# KiCad board spudglo_driver_v8pWB55.kicad_pcb (continued)
## Routing (per net, layer and track width the routed paths; a pad name or vN(x,y) marks a point on that pad's centre or on a via; arc(x,y) is an arc through that point) (continued)
  Top w0.5: U12.A12 57.33,35.4 v1(57.33,34.59) ; U13.2 62.08,27.27 61.81,27.27 U13.EPAD ; U13.2 62.91,27.92 63.42,27.41 64.66,28.65 J5.1 ; U13.2 U13.EPAD ; J1.1 51,16.76 v1(49.82,15.58) 50.24,15.16 50.24,12.61 ; C6.2 35.72,29.07 v1(35.42,28.77) ; v1(56.66,24.83) 56.66,25.05 56.31,25.4 ; 1.88,24.84 1.96,24.84 3.1,25.98 C2.2 ; 47.34,13.96 48.17,14.78 50.08,14.78 ; 50.24,12.61 50.72,13.08 U14.2 ; 50.24,12.61 50.24,11.7 50.66,11.29 53.25,11.29 ; v1(22.71,35.35) 22.37,35.7 21.84,35.7 ; v1(67.06,14.98) 66.35,14.27 R7.2 66.21,14.22 C28.2 64.49,14.22 63.65,13.38 ; 56.31,25.4 C30.2 ; 56.31,25.4 56.32,25.4 v1(56.72,25.81) ; 57.82,22.54 58.24,22.12 IC1.4 ; 58.95,26.62 60.93,26.62 61.16,26.85 U13.EPAD ; C29.2 47.34,13.78 47.24,13.88 v1(47.24,15.54) ; 35.15,39.64 v1(34.29,39.64) R1.2 ; U12.A1 v1(65.11,34.87) 65.46,34.53 v2(68.14,34.53) ; C26.2 22.43,33.32 v1(22.71,33.03) ; v1(59.49,12.85) 60.06,13.42 U17.2 ; v1(59.49,12.85) v1(59.49,14.56) 59.49,14.61 58.98,15.11 57.37,15.11 56.52,14.26 56.79,14.53 56.79,15.96 ; v1(59.49,12.85) 59.49,10.92 ; v1(54.21,11.59) 54.2,11.58 C25.2 ; v1(58.17,26.87) C23.2
  Top w0.75: 21.77,6.4 22.78,6.4 v1(22.81,6.43) ; 21.77,6.4 R4.2 ; 21.77,6.4 C19.2
  Top w1: 57.82,22.54 57.63,22.54 56.67,23.5 C27.2 56.14,23.8 56.11,23.83 54.59,23.83 55.64,24.88 55.64,25.4
  Top w4: v2(68.14,34.53) 65.78,32.17 J5.1 ; 68.17,29.78 67.05,29.78 J5.1 ; J5.1 66.78,32.17 71.72,27.23 J2.2
  Top w4.5: 65.78,32.17 68.17,29.78 J2.3 ; v2(71.72,32.38) 70.3,32.38 v2(68.14,34.53) 68.92,33.75 J2.3 ; v2(71.72,32.38) J2.2 71.72,26.98 J2.3 ; v2(71.72,32.38) 71.78,32.43
  vias: v1(0.67,36.32) v1(0.63,35.19) v1(4.09,22.97) v1(5.64,42.51) v1(7.64,43.34) v1(7.64,38.26) v1(9.02,29.28) v1(12.36,32.63) v1(12.37,25.95) v1(15.72,43.43) v1(15.7,42.37) v1(15.7,41.39) v1(15.7,40.32) v1(15.76,29.23) v1(24.6,38.61) v1(24.94,17.99) v1(33.69,28.55) v1(44.47,26.29) v1(45.01,28.2) v1(58.45,32.08) v1(59.33,31.25) v1(61.35,18.97) v1(62.03,25.85) v1(65.53,11.71)
VBUS: length 17.2
  Top w0.25: U6.16 57.27,33.87 56.29,33.87 C21.1 56.06,34.56 v1(56.09,34.59)
  Top w0.5: 58.91,28.3 58.62,28.01 58.61,28.01 58.32,28.3 57.42,28.3 57.38,28.26 ; 58.91,28.3 59.33,27.88 59.37,27.92 60.24,27.92 ; 58.91,28.3 58.92,28.3 v1(59.51,28.9) 60.11,28.3 60.18,28.3 ; 58.91,28.3 59.98,28.3 60.24,28.56 60.24,28.57
  Bottom w0.25: 59.58,28.97 59.58,28.97 v1(59.51,28.9) 59.51,29.04 56.09,32.47 v1(56.09,34.59)
VBUS_PRESENT: length 60.6
  Top w0.25: R35.1 v1(54.79,28.26) 55.56,28.26 ; U10.14 11.19,33.61 11.19,34 11.5,34.32 11.82,34.32 12.11,34.6 12.16,34.6 v1(12.44,34.88) ; v1(51.13,32.38) 51.13,31.99 49.6,30.46 44.88,30.46 44.16,31.17 41.62,31.17 40.06,32.73 40.06,33.63 38.84,34.85 37.42,34.85 36.51,35.77 34.3,35.77 32.66,37.4 32.02,37.4 31.62,37.81 30.98,37.81 30.8,38 30.8,38.33 29.89,39.24 29.35,39.24 28.67,39.93 28.67,39.96 27.22,41.41 27.22,41.82 26.89,42.14 26.78,42.14 26.23,42.69 22.69,42.69 v1(22.41,42.97)
  Bottom w0.25: v1(51.13,32.38) 52.08,32.38 54.92,29.53 54.92,28.39 54.81,28.28 ; v1(12.44,34.88) 12.44,35.39 13.53,36.48 15.28,36.48 16,37.2 16.39,37.2 18.25,39.06 19.22,39.06 22.41,42.25 v1(22.41,42.97)
VIN: length 56.4
  Top w0.5: C2.1 4.36,24.7 1.96,22.3 1.88,22.3 ; v3(66.42,8.11) 65.94,8.11 62.88,11.17 61.17,11.17 C32.1 60.92,12.3 U17.1 ; C26.1 23.9,32.18 U4.2 24.21,31.95 24.22,31.96 ; C1.1 36.33,40.68 35,42.01 35,42.09
  Top w0.75: 24.19,4.98 24.11,4.98 23.72,4.59 C19.1
  Top w1: v1(57.82,25.18) 57.82,24.07 57.99,23.9 58.26,23.9 59.08,24.72
  Top w4.5: v3(66.42,8.11) 66.53,8 v3(71.52,8) ; 71.41,8.11 v3(71.52,8) ; v3(71.52,8) 71.52,8
  Top w5: v3(66.42,8.11) 67.03,8.11 F1.2 71.4,8.12 v3(71.52,8)
  PWR.Cu w0.5: 34.91,42.09 31.49,38.67 27.82,38.67 25.83,36.68 25.72,36.68 25.13,36.09 25.13,32.95 U4.2
/spudglo_v8p0_micro/BLUE_LED: length 3.7
  Top w0.25: U10.44 17.1,25.57 R22.2
/spudglo_v8p0_micro/BOOT0: length 7.2
  Top w0.25: U10.4 16.22,31.33 17.56,31.33 18.29,30.59 19.3,30.59 21.07,28.82 21.07,28.76 21.16,28.67 R15.1
/spudglo_v8p0_micro/GREEN_LED: length 2.2
  Top w0.25: U10.43 15.02,26.99 16.14,25.86 R21.2
/spudglo_v8p0_micro/LVL_DIR: length 62.9
  Top w0.25: v1(26.78,18.9) 27.08,18.6 27.79,18.6 28.1,18.29 28.1,16.01 28.37,15.74 28.37,14.32 28.09,14.05 27.68,14.05 27.23,13.6 25.76,13.6 25.72,13.55 24.91,13.55 22.68,15.78 19.66,15.78 19.11,15.23 17.24,15.23 15.81,16.67 15.81,17.18 13.83,19.15 8.94,19.15 5.89,22.2 5.89,24.47 8.32,26.9 8.97,26.9 U10.29 ; U9.1 29.89,27.94 29.89,30.41 29.46,30.84 28.86,30.84 27.84,29.81 27.84,29.27 27.37,28.8 27.37,28.67 26.72,28.03 26.72,27.69 25.84,26.8 25.84,26.27 25.18,25.61 25.18,24.8 24.26,23.88 24.26,21.96 22.59,20.28 v1(22.26,20.28)
  Bottom w0.25: v1(26.78,18.9) 25.4,20.28 v1(22.26,20.28)
/spudglo_v8p0_micro/LVL_EN: length 59
  Top w0.25: v1(28.14,20.88) 28.14,20.64 27.44,19.95 27.44,19.26 27.65,19.05 27.98,19.05 28.55,18.48 28.55,16.2 28.82,15.93 28.82,14.14 28.28,13.6 27.86,13.6 27.41,13.15 25.95,13.15 25.9,13.1 24.72,13.1 22.49,15.33 19.84,15.33 19.29,14.78 17.06,14.78 15.36,16.48 15.36,16.99 13.64,18.7 8.75,18.7 5.44,22.01 5.44,24.82 7.97,27.35 8.71,27.35 U10.28 ; v1(34.12,19.73) 34.6,19.73 36.06,21.2 36.06,26.3 35.69,26.68 U9.19
  Bottom w0.25: v1(34.12,19.73) 34.03,19.73 32.88,20.88 v1(28.14,20.88)
/spudglo_v8p0_micro/OSC48_HI: length 10.7
  Top w0.25: C7.1 1.5,30.2 Y1.3 1.5,28.44 3.03,26.91 5.49,26.91 5.91,27.33 5.91,27.35 6.56,28 7.26,28 8,28.74 U10.25
/spudglo_v8p0_micro/OSC48_LO: length 5.3
  Top w0.25: U10.24 6.72,28.45 4.9,28.45 C33.1 4.38,28.56 Y1.1
/spudglo_v8p0_micro/RED_LED: length 5.3
  Top w0.25: U10.42 14.67,26.63 15.07,26.24 15.07,22.18 15.14,22.1 15.19,22.1 R20.2
GPIO_1: length 47.8
  Top w0.25: v1(32.86,26.35) 33.41,26.35 33.94,26.88 33.94,27.6 34.18,27.85 34.34,27.85 34.62,28.13 34.62,30.14 35.17,30.69 36.36,30.69 37.5,29.54 37.5,27.04 41.08,23.47 ; v1(27.25,24.75) 27.29,24.71 27.29,24.2 26.06,22.97 26.06,21.12 22.98,18.03 16.22,18.03 13.2,21.06 13.2,21.23 13.2,21.23 13.2,24.59 12.93,24.87 U10.37
  Bottom w0.25: v1(32.86,26.35) 32.71,26.5 28.89,26.5 28.28,27.12 27.43,27.12 27.25,26.94 v1(27.25,24.75)
GPIO_2: length 55.8
  Top w0.25: v1(20.33,43) 20.33,42.17 20.71,41.79 25.53,41.79 28.98,38.34 28.98,36.49 31.95,33.52 34.16,33.52 37.95,29.73 37.95,27.23 40.91,24.27 42.06,24.27 42.99,23.34 ; v1(7.29,34.3) 7.57,34.03 7.57,33 7.64,32.93 7.64,32.7 8.11,32.23 8.96,32.23 9.69,31.5 U10.19
  Bottom w0.25: v1(7.29,34.3) 10.37,37.38 14.91,37.38 15.63,38.1 16.01,38.1 17.88,39.96 18.85,39.96 20.33,41.44 v1(20.33,43)
GPIO_3: length 51.2
  Top w0.25: v1(28.53,31.53) 28.53,31.14 27.39,30 27.39,29.46 26.92,28.99 26.92,28.86 26.27,28.21 26.27,27.87 25.18,26.78 25.18,26.74 23.66,26.74 22.76,27.64 22.76,28.15 22.34,28.58 22.09,28.58 21.66,29 21.52,29 19.49,31.04 18.48,31.04 17.74,31.78 15.97,31.78 U10.5 ; J7.3 41.99,19.94 43.41,19.94 44.44,20.98 44.44,23.54 42.81,25.17 41.28,25.17 38.85,27.6 38.85,30.1 34.53,34.42 32.32,34.42 32.04,34.7 v1(32.04,35.73)
  Bottom w0.25: v1(28.53,31.53) 28.75,31.75 28.75,32.83 28.81,32.88 28.81,33.27 30.93,35.39 31.32,35.39 31.74,35.81 31.95,35.81 v1(32.04,35.73)
GPIO_4: length 44.7
  Top w0.25: v1(26.58,30.13) 26.58,30.52 26.71,30.64 27.39,30.64 27.81,31.05 27.81,32.9 v1(28.08,33.18) ; v1(20.66,30.92) 20.24,30.92 19.68,31.49 18.67,31.49 17.93,32.23 15.78,32.23 15.05,31.5 U10.6 ; v1(31.02,36.11) 31.02,35.09 32.14,33.97 34.35,33.97 38.4,29.91 38.4,27.42 41.09,24.72 42.63,24.72 43.99,23.36 43.99,21.94 J7.4
  Bottom w0.25: v1(26.58,30.13) 25.55,31.16 25,31.16 24.61,30.78 23.64,30.78 23.26,31.16 20.9,31.16 v1(20.66,30.92) ; v1(28.08,33.18) v1(31.02,36.11)
I2C2_SCL: length 9.5
  Top w0.25: R12.2 21.3,24.98 U5.8 20.84,25.33 v1(20.86,25.35) ; U10.46 16.07,28.05 18.26,25.86 18.26,25.66 v1(18.32,25.6)
  Bottom w0.25: v1(20.86,25.35) 20.86,25.08 20.19,24.4 19.52,24.4 v1(18.32,25.6)
I2C2_SDA: length 10.5
  Top w0.25: U10.47 16.39,28.36 18.17,26.59 v1(18.79,26.59) ; R2.2 22.29,26.75 v1(22.18,26.86) ; v1(19.89,25.13) 19.89,24.77 U5.1
  Bottom w0.25: v1(19.89,25.13) 18.79,26.22 v1(18.79,26.59) 19.11,26.9 21.01,26.9 21.36,26.54 21.86,26.54 v1(22.18,26.86)
NRST: length 90.8
  Top w0.25: v1(30.31,36.82) 30.33,36.84 31.32,36.84 31.7,36.45 32.34,36.45 32.77,36.03 32.77,35.43 32.49,35.15 32.49,34.89 32.51,34.87 36.13,34.87 36.96,34.04 36.96,33.26 37.78,32.44 37.8,32.44 37.8,32.42 39.75,30.47 39.75,27.97 41.64,26.09 43.17,26.09 46.66,22.6 v1(47.05,22.6) ; v1(26.63,33.91) 26.63,33.37 C8.1 26.09,32.65 26.09,32.17 24.68,30.76 22.19,30.76 R16.2 21.38,31.08 21.38,31.22 20.96,31.65 20.15,31.65 19.86,31.94 18.85,31.94 18.11,32.68 15.45,32.68 U10.7 ; v1(62.84,26.79) 62.75,26.7 61.82,26.7 61.13,26 58.01,26 57.49,26.53 54.24,26.53 52.23,24.53 52.23,23.89 51.35,23.01 50.57,23.01 49.69,22.13 49.69,17.93 48.52,16.76 47.19,18.08 47.19,20.14 v1(47.62,20.56) ; v1(62.07,37.1) 62.41,37.1 62.71,36.8 U12.B8 ; U6.8 59.6,29.84 60.3,29.15 60.47,29.15 60.52,29.1 61.79,29.1 61.89,29.2 62.09,29.2 v1(62.37,29.47)
  Bottom w0.25: v1(47.05,22.6) 47.05,21.14 v1(47.62,20.56) ; v1(26.63,33.91) 26.63,34.12 29.33,36.82 v1(30.31,36.82) ; v1(62.07,37.1) 61.81,36.84 61.93,36.73 61.93,31.94 62.37,31.49 62.37,30.89 62.37,30.89 v1(62.37,29.47) 62.84,29 v1(62.84,26.79)
RV_8803_CLK_EN: length 21.2
  Top w0.25: U5.4 19.64,21.27 v1(19.75,21.16) ; U10.3 16.48,30.88 17.37,30.88 18.11,30.14 19.12,30.14 20.46,28.8 20.46,27.74 20.02,27.3 20.02,26.45 v1(20.3,26.17) ; v1(20.83,20.14) 20.94,20.14 22.01,21.22 22.14,21.22 23.49,22.57
  Bottom w0.25: v1(20.83,20.14) 20.72,20.14 19.75,21.12 v1(19.75,21.16) 19.89,21.3 20.01,21.3 20.01,23.47 21.63,25.09 21.63,25.64 21.1,26.17 v1(20.3,26.17)
RV_8803_CLK_OUT: length 10.5
  Top w0.25: U10.2 16.74,30.43 17.18,30.43 17.92,29.69 18.93,29.69 20.01,28.61 20.01,27.92 19.57,27.49 19.57,25.83 18.92,25.18 18.92,23.95 19.24,23.62 U5.2
RV_8803_INT_N: length 38.3
  Top w0.25: v1(21.84,21.94) 22.25,22.35 22.25,22.72 U5.6 ; v1(24.35,27.47) 24.98,27.47 25.56,28.05 25.56,30.13 26.88,31.45 27.08,31.45 27.36,31.73 27.36,34.29 26.79,34.86 v1(26.33,34.86) ; v1(21.4,37.64) 21.01,37.64 20.28,36.91 20.28,36.88 18.98,35.58 18.59,35.58 17.48,34.48 14.42,34.48 U10.11
  Bottom w0.25: v1(24.35,27.47) 23.91,27.02 23.91,26.6 23.48,26.18 22.99,26.18 22.08,25.27 22.08,24.91 20.99,23.82 20.99,22.79 v1(21.84,21.94) ; v1(26.33,34.86) 24.79,33.32 23.63,33.32 21.4,35.56 v1(21.4,37.64)
SWCLK: length 88.8
  Top w0.25: v1(58.83,41.34) 58.83,40.32 57.24,38.73 56.32,38.73 54.92,37.32 54.92,33.23 50.61,28.92 50.61,25.6 49.88,24.88 49.88,23.2 48.52,21.84 46.78,21.84 42.98,25.64 41.45,25.64 39.3,27.79 39.3,30.29 35.93,33.66 v1(35.93,34.05) ; v1(29.16,30.11) 29.14,30.11 28.44,29.41 28.44,29.23 27.82,28.61 27.82,28.48 27.17,27.84 27.17,27.5 26.63,26.95 26.63,26.42 25.63,25.42 25.63,24.61 24.71,23.7 24.71,21.67 24.71,21.67 24.62,21.67 22.95,20.01 22.95,19.91 22.42,19.38 16.78,19.38 14.55,21.61 14.55,25.22 14.62,25.28 14.62,25.94 U10.41 ; v1(58.32,34.45) 58.6,34.73 59.14,34.73 59.21,34.8 U12.B5
  Bottom w0.25: v1(58.32,34.45) 58.94,35.07 58.94,39.13 58.83,39.25 v1(58.83,41.34) ; v1(35.93,34.05) 35.7,34.05 34.74,33.1 34.74,32.47 32.8,30.52 29.57,30.52 v1(29.16,30.11)
SWDIO: length 111.5
  Top w0.25: J1.7 51.06,28.73 55.37,33.04 55.37,37.13 56.51,38.28 61.94,38.28 62.45,38.79 64.23,38.79 v1(64.65,39.21) 64.65,39.61 61.3,42.96 57.26,42.96 55.82,41.51 55.82,40.13 53.57,37.88 53.57,35.76 50.91,33.1 50.19,33.1 49.39,32.3 49.39,31.84 48.91,31.36 45.26,31.36 44.54,32.07 42.95,32.07 42.11,32.91 42.11,33.49 39.4,36.2 38.41,36.2 v1(38.1,36.51) ; v1(29.16,29.11) 28.95,29.11 28.27,28.43 28.27,28.3 27.62,27.65 27.62,27.31 27.08,26.77 27.08,26.24 26.08,25.24 26.08,24.42 25.16,23.51 25.16,21.49 22.61,18.93 16.6,18.93 14.1,21.43 14.1,25.04 U10.39 ; U12.A5 62.21,34.38 62.38,34.21 62.51,34.21 v1(62.65,34.35)
  Bottom w0.25: v1(29.16,29.11) 29.14,29.11 28.44,29.81 28.44,30.41 29,30.97 32.61,30.97 33.82,32.18 33.82,32.97 37.36,36.51 v1(38.1,36.51) ; v1(64.65,39.21) 62.8,37.35 62.8,34.78 62.83,34.74 62.83,34.53 v1(62.65,34.35)
TIM1_CH1: length 39.5
  Top w0.25: U9.3 30.14,26.03 30.79,26.67 30.79,32.77 27.63,35.93 27.63,37.78 24.97,40.44 21.27,40.44 18.2,37.38 17.84,37.38 16.74,36.28 12.18,36.28 12.12,36.21 10.18,36.21 9.11,35.14 9.11,33.56 U10.17
TIM1_CH1_SHIFT: length 25
  Top w0.25: 31.14,3.36 31.14,23.84 32.48,25.18 34.11,25.18 34.31,25.38 U9.17
TIM1_CH2: length 42.9
  Top w0.25: U10.18 10.05,31.85 9.7,32.19 9.63,32.19 8.66,33.16 8.66,35.33 10.06,36.73 16.55,36.73 17.66,37.83 18.02,37.83 21.08,40.89 25.15,40.89 28.08,37.96 28.08,36.11 31.24,32.96 31.24,26.48 30.34,25.58 30.34,25.1 29.97,24.73 U9.5
TIM1_CH2_SHIFT: length 31.4
  Top w0.25: J3.8 39.25,5.75 33.15,5.75 32.04,6.86 32.04,23.46 32.85,24.28 34.11,24.28 34.31,24.08 U9.15
TIM1_CH3: length 25.6
  Top w0.25: U10.36 11.88,24.57 12.75,23.7 12.75,21.42 12.75,21.42 12.75,20.87 16.04,17.58 23.16,17.58 26.51,20.93 26.51,22.79 27.07,23.35 29.2,23.35
TIM1_CH3_SHIFT: length 39.4
  Top w0.25: U9.13 34.31,22.78 33.71,23.37 33.22,23.37 32.94,23.09 32.94,7.24 33.52,6.65 39.62,6.65 40.52,5.75 49.75,5.75 J3.5
USBD+: length 5.9
  Top w0.2: 58.63,33.06 58.63,33.76 58.96,34.1 59.38,34.1 60.24,34.96 60.24,35.18 ; U12.A6 61.21,36.75 61.16,36.8 60.43,36.8 60.21,36.58 U12.B6
USBD-: length 5.3
  Top w0.2: 60.52,34.6 59.57,33.65 59.15,33.65 59.08,33.58 59.08,33.06 ; 60.52,34.6 60.69,34.77 60.69,35.18 ; 60.52,34.6 61.51,34.6 61.71,34.8 U12.B7
V_BUTTON: length 37
  Top w0.25: U5.3 18.19,22.72 ; v1(18.3,23.57) 18.3,22.83
  Bottom w0.25: BT1.1 39.52,24.52 39.52,22.11 34.42,17.01 21.81,17.01 18.54,20.27 18.54,23.32 v1(18.3,23.57)
WKUP1: length 55.9
  Top w0.25: U4.4 23.55,36.46 21.14,36.46 19.36,34.68 19.03,34.68 17.93,33.58 14.94,33.58 U10.9 ; v1(52.66,29.18) 52.97,28.87 53.24,28.87 53.27,28.91 54.08,28.91 54.11,28.87 54.38,28.87 54.58,29.07 56.5,29.07 56.66,28.91 58.49,28.91 59.1,29.52 U6.7 ; v1(50.12,32) 50.12,31.61 49.41,30.91 45.07,30.91 44.36,31.62 42.76,31.62 41.66,32.73 41.66,33.31 39.21,35.75 37.83,35.75 36.91,36.67 34.67,36.67 33.03,38.3 32.4,38.3 31.99,38.71 31.69,38.71 30.76,39.63 v1(30.76,40.02)
  Bottom w0.25: v1(50.12,32) 50.97,31.15 50.97,30.88 v1(52.66,29.18) ; 24.22,36.94 24.27,36.89 27.52,36.89 30.65,40.02 v1(30.76,40.02)
WKUP2: length 93.7
  Top w0.25: v1(34.12,18.73) 34.23,18.73 36.51,21.01 36.51,24.63 v1(37.07,25.19) ; v1(29.61,31.7) 29.61,32.68 26.46,35.83 v1(26.07,35.83) ; v1(29.97,20.16) 28.88,20.16 28.38,19.66 28.38,19.28 29,18.66 29,16.38 29.27,16.11 29.27,13.95 28.46,13.15 28.05,13.15 27.56,12.65 24.53,12.65 22.3,14.88 20.03,14.88 19.48,14.33 16.87,14.33 14.91,16.3 14.91,16.8 13.46,18.25 8.57,18.25 4.99,21.83 3.16,21.83 2.37,21.04 1.31,21.04 0.71,20.44 0.71,18.5 U3.4 ; U10.10 14.68,34.03 17.67,34.03 18.77,35.13 19.17,35.13 20.95,36.91 22.04,36.91 v1(22.4,37.27) ; v1(32.86,32.79) 32.59,32.52 32.59,27.53 32.81,27.3 v1(33.21,27.3)
  Bottom w0.25: v1(34.12,18.73) 34.1,18.73 32.67,20.16 v1(29.97,20.16) ; v1(22.4,37.27) 22.4,37.1 23.67,35.83 v1(26.07,35.83) ; v1(32.86,32.79) 32.49,32.42 30.33,32.42 v1(29.61,31.7) ; v1(33.21,27.3) 34.64,27.3 36.75,25.19 v1(37.07,25.19)
WKUP3: length 75.2
  Top w0.25: v1(22.25,38.26) 22.15,38.36 21.1,38.36 19.83,37.1 19.83,37.07 18.8,36.03 18.4,36.03 17.3,34.93 14.17,34.93 U10.12 ; v1(40.93,32.88) 40.93,33.39 39.03,35.3 37.61,35.3 36.69,36.22 34.48,36.22 32.85,37.85 32.21,37.85 31.81,38.26 31.5,38.26 30.08,39.69 29.54,39.69 29.12,40.11 29.12,40.15 27.67,41.6 27.67,42.28 v1(27.08,42.87) ; v1(34.12,17.73) 34.14,17.73 35.1,18.69 35.1,18.96 36.96,20.82 36.96,23.73 v1(38.37,25.14) ; v1(29.97,19.16) 29.46,18.65 29.46,16.57 29.46,16.56 29.72,16.3 29.72,13.76 28.59,12.64 28.18,12.64 27.74,12.2 26.25,12.2 U2.4
  Bottom w0.25: v1(27.08,42.87) 26.63,42.41 26.63,41.17 25.15,39.69 23.68,39.69 v1(22.25,38.26) ; v1(34.12,17.73) 34.09,17.73 32.69,19.13 32.69,19.5 32.49,19.71 30.54,19.71 29.99,19.16 v1(29.97,19.16) ; v1(38.37,25.14) 38.16,25.36 38.16,32.12 38.57,32.53 40.58,32.53 v1(40.93,32.88)
WKUP4: length 24.4
  Top w0.25: U10.13 12.42,34.15 12.76,34.15 13.98,35.38 17.11,35.38 18.22,36.48 18.61,36.48 19.2,37.07 19.2,37.1 20.91,38.81 21.3,38.81 v1(21.72,39.23) ; v1(23.3,43.42) 23.47,43.59 28.33,43.59 U1.4
  Bottom w0.25: v1(23.3,43.42) 23.28,43.4 23.28,40.79 v1(21.72,39.23)
  vias: v1(30.31,40.91)
XR_GPIO: length 64.9
  Top w0.25: v1(11.45,35.04) 11.45,34.91 10.74,34.2 10.74,33.35 U10.15 ; v1(57.42,29.68) 57.58,29.68 57.63,29.63 58.58,29.63 58.6,29.65 U6.6 ; v1(52.43,33.04) 52.43,32.65 49.78,30.01 44.69,30.01 43.97,30.72 41.41,30.72 40.82,31.31 40.82,31.33 39.61,32.55 39.61,33.45 38.65,34.4 37.24,34.4 36.32,35.32 34.11,35.32 32.53,36.9 31.89,36.9 31.5,37.29 30.87,37.29 30.35,37.81 30.35,38.15 29.7,38.79 29.17,38.79 26.71,41.25 26.71,41.69 26.7,41.69 26.59,41.69 26.04,42.24 22.11,42.24 21.69,42.67 21.69,43.02 v1(21.17,43.53)
  Bottom w0.25: v1(11.45,35.04) 13.35,36.93 15.1,36.93 15.81,37.65 16.2,37.65 18.06,39.51 19.03,39.51 21.17,41.65 v1(21.17,43.53) ; v1(57.42,29.68) 55.41,29.68 52.43,32.66 v1(52.43,33.04)
XR_RX: length 81.4
  Top w0.25: v1(61.3,29.82) 61.3,30.52 60.91,30.91 60.91,31.41 60.88,31.43 U6.10 ; U10.45 16.93,26.45 16.94,26.45 17.6,25.79 17.6,25.2 v1(18.19,24.61) ; v1(38.65,33.25) 38.65,32.86 39.93,31.59 39.93,31.57 41.23,30.27 43.79,30.27 44.5,29.56 49.97,29.56 54.02,33.6 54.02,37.69 55.95,39.63 56.86,39.63 57.47,40.23 57.47,42.03 57.95,42.51 60.22,42.51 60.78,41.95 v1(60.78,42.24)
  Bottom w0.25: v1(18.19,24.61) 17.6,25.2 17.6,27.67 18.88,28.95 19.58,28.95 20.01,28.52 20.06,28.58 22.39,28.58 22.72,28.24 27.28,28.24 27.35,28.31 27.45,28.21 27.88,28.21 28.7,27.39 30.94,27.39 35.64,32.09 35.64,32.72 35.68,32.76 38.16,32.76 v1(38.65,33.25) ; v1(61.3,29.82) 61.3,30.52 60.92,30.89 60.92,32.99 61.48,33.55 61.48,34.15 61.39,34.23 61.39,34.87 61.48,34.96 61.48,36.54 60.84,37.17 60.84,42.17 v1(60.78,42.24)
XR_TX: length 85.2
  Top w0.25: U6.9 60.27,30.23 v1(60.35,30.15) ; v1(59.79,41.79) 59.79,41.51 59.24,42.06 58.33,42.06 57.94,41.68 57.94,40.07 57.05,39.18 56.14,39.18 54.47,37.51 54.47,33.42 50.16,29.11 44.32,29.11 43.6,29.82 41.04,29.82 39.08,31.79 39.08,31.8 37.69,33.19 v1(37.69,33.68) ; v1(28.99,28.13) 28.72,27.85 28.46,27.85 28.07,27.47 28.07,27.13 27.53,26.58 27.53,26.05 26.53,25.05 26.53,24.24 25.61,23.32 25.61,21.3 22.79,18.48 16.41,18.48 13.65,21.24 13.65,24.78 U10.38
  Bottom w0.25: v1(28.99,28.13) 31.04,28.13 35.19,32.28 35.19,32.91 35.49,33.21 37.22,33.21 v1(37.69,33.68) ; v1(60.35,30.15) 60.35,33.22 60.03,33.55 60.03,34.15 61.03,35.15 61.03,36.09 60.39,36.73 60.39,41.19 v1(59.79,41.79)
Net-(E1-Pad1): length 10.1
  Top w0.25: L3.2 4.66,36.95 L5.2
  Top w0.3: L3.2 4.59,37.37 6.84,39.62 6.84,40.36 8.7,42.22 E1.1
Net-(IC1-BST): length 1.6
  Top w1: 61.1,22.12 61.1,20.56 61.06,20.52
Net-(IC1-FB): length 25.7
  Top w0.2: 53.12,18.67 53.12,18.62 53.2,18.54 U16.A2
  Top w0.5: 53.12,18.67 53.68,19.23 53.68,21.49 C24.1 53.65,22.4 v1(53.58,22.46) 53.56,22.48 v1(53.56,23.44) 53.56,25.04 53.92,25.4 ; v1(61.8,23.71) 61.04,24.47
  Top w1: C24.1 55.07,21.92 L1.2 55.07,21 56.14,22.07
  Bottom w0.5: 54.85,22.46 54.54,22.46 v1(53.56,23.44) ; 54.85,22.46 v1(53.58,22.46) ; 54.85,22.46 59.05,22.46 60.3,23.71 v1(61.8,23.71)
Net-(IC1-SW): length 4.1
  Top w0.5: 59.34,20.52 60.09,21.28 IC1.5
  Top w1: 59.34,20.52 58.67,19.85 L1.1
Net-(J4-Pin_1): length 23.2
  Top w5: 64.9,23.96 J2.1 65.92,23.56 F1.1 65.06,18.08 64.9,17.92 64.9,23.96
Net-(L2-Pad2): length 1.7
  Top w0.75: L6.1 7.14,23.61 L2.2
Net-(LED1-Pad2): length 15.6
  Top w0.25: v1(16.92,20.48) 16.29,21.11 ; LED1.2 26.44,16.23 19.47,16.23 18.92,15.68 17.79,15.68 16.92,16.56 16.92,16.58 v1(16.64,16.86)
  Bottom w0.25: v1(16.64,16.86) 16.92,17.13 v1(16.92,20.48)
Net-(LED1-Pad3): length 17.9
  Top w0.25: v1(16.39,22.17) 16.14,22.42 R21.1 ; v1(18.62,16.41) 18.89,16.68 26.41,16.68 LED1.3
  Bottom w0.25: v1(18.62,16.41) 18.63,16.42 18.63,19.55 18.09,20.09 18.09,21.5 17.4,22.19 16.41,22.19 v1(16.39,22.17)
Net-(LED1-Pad4): length 18.3
  Top w0.25: LED1.4 27.55,17.54 26.92,18.17 26.55,18.17 25.51,17.13 17.92,17.13 v1(17.64,16.86) ; v1(17.1,21.47) 17.49,21.86 17.49,22.82 17.27,23.03 17.27,23.18 R22.1
  Bottom w0.25: v1(17.64,16.86) 17.64,20.92 v1(17.1,21.47)
Net-(U1-OUT+): length 2.4
  Top w0.5: U1.3 32.25,41.77 R1.1
Net-(U2-OUT+): length 2.8
  Top w0.75: R4.1 23.39,8.23 U2.3 24.19,7.6
Net-(U3-OUT+): length 2.8
  Top w0.25: 1.88,19.68 U3.3 4.18,19.77 R5.1
Net-(U4-OUT+): length 2.4
  Top w0.5: R3.1 24.12,34.5 U4.3 24.22,34.58
Net-(U6-LOWPOWER): length 4.7
  Top w0.25: R10.1 54.07,30.51 55.37,31.81 56.42,31.81 57.04,32.43 U6.1
Net-(U7-VCC): length 4.7
  Top w0.25: 64.71,12.79 64.74,12.76 66.26,12.76 ; 64.71,12.79 64.53,12.6 U7.6 ; 64.71,12.79 64.7,12.78 64.7,11.17
Net-(U8-IN): length 2.1
  Top w0.25: R18.2 4.86,32.39 4.31,32.93 U8.3
Net-(U8-OUT): length 2.5
  Top w0.25: L3.1 5.54,35.91
  Top w0.3: U8.1 4.31,35.63 L3.1
Net-(U10-RF1): length 2.6
  Top w0.25: R18.1 6.94,31.33 8.52,31.33 U10.21
Net-(U10-VFBSMPS): length 3.2
  Top w0.25: U10.31 9.68,26.19 9.13,26.19
  Top w0.75: 9.13,26.19 8.95,26.19 8.76,26 C9.1 7.95,25.46 L6.2
Net-(U10-VLXSMPS): length 6.2
  Top w0.25: U10.33 10.29,25.39 10.29,25.03
  Top w0.75: L2.1 10.01,21.13 ; 10.01,21.13 10.45,21.57 10.45,22.97 10.2,23.22 10.2,24.77 10.29,24.86 10.29,25.03 ; 10.01,21.13 10.31,21.43
Net-(U12-VBUS1): length 23.6
  Top w0.25: U12.A9 58.51,36.57 58.77,36.83 58.77,37.15 59.45,37.83 62.37,37.83 63.16,37.04 63.16,36.83 63.41,36.58 U12.A4
  Top w0.5: v1(64.71,38.21) 63.48,38.21 62.94,37.67 62.7,37.67 62.42,37.95 ; C22.1 63.42,29.67 v1(63.32,29.77) ; 63.42,29.13 63.42,28.99 63.05,28.62 62.13,28.62
  PWR.Cu w0.5: v1(64.71,38.21) 63.67,38.21 63.03,37.56 63.03,35.93 63.54,35.41 63.54,33.81 62.71,32.98 62.71,30.38 v1(63.32,29.77)
Net-(U16-VOUT): length 5.1
  Top w0.2: U16.A1 53.11,17.88 53.11,16.76 53.52,16.35 54.1,16.35 54.22,16.48 54.55,16.48 55.07,15.96
  Top w0.5: 55.07,15.96 55.07,17.45
Net-(U17-VOUT): length 3.2
  Top w0.5: 55.01,12.54 56.52,12.54 56.59,12.47 U17.6

## Copper pours and planes (outline as drawn; the poured copper is in the pictures)
+3V3 on PWR.Cu: 52.09,29.37 52.09,40.8 62.25,40.8 62.25,30.64 60.98,30.64 60.98,35.72 58.44,35.72 58.44,38.26 54.63,38.26 54.63,29.37
+3V3 on PWR.Cu: 45.74,31.91 45.74,23.02 49.55,23.02 49.55,31.91
+3V3 on PWR.Cu: 5.1,9.05 55.9,9.05 55.9,11.59 27.96,11.59 27.96,19.21 5.1,19.21
+3V3 on PWR.Cu: 34.31,11.59 34.31,12.86 49.55,12.86 49.55,11.59
+3V3 on PWR.Cu: 3.83,36.99 24.15,36.99 24.15,17.94 3.83,17.94
+3V3 on PWR.Cu: 24.15,26.83 26.69,26.83 26.69,19.21 24.15,19.21
+3V3 on PWR.Cu: 30.5,11.59 30.5,31.91 52.09,31.91 52.09,29.37 33.04,29.37 33.04,11.59
+5V on PWR.Cu: 52.09,12.86 34.31,12.86 34.31,29.37 38.12,29.37 38.12,15.4 52.09,15.4
+5V on PWR.Cu: 52.09,11.59 52.09,19.21 58.44,19.21 58.44,11.59
GND1 on Top, Bottom, GND.Cu: -6.06,48.01 75.31,47.32 76.35,-3.12 -3.27,-1.99 -6.05,48.01
GND1 on GND.Cu: -4.19,47.06 -5.38,-0.39 80.68,-2.3 77.82,47.53
VBUS on PWR.Cu: 60.98,26.83 54.63,26.83 54.63,35.72 57.17,35.72 57.17,29.37 60.98,29.37
VIN on Top: 26.69,43.34 26.69,30.64 21.61,30.64 21.61,43.34
VIN on Top: 26.69,6.51 26.69,0.16 21.61,0.16 21.61,6.51
VIN on Top, Bottom, PWR.Cu: 62.25,6.51 62.25,15.4 74.95,15.4 74.95,6.51
VIN on Top, Bottom, PWR.Cu: 74.95,-2.38 21.61,-2.38 21.61,6.51 74.95,6.51
VIN on PWR.Cu: 62.25,6.51 58.44,6.51 58.44,21.75 57.17,21.75 57.17,26.83 62.25,26.83
VIN on PWR.Cu: 16.53,36.99 22.88,36.99 22.88,40.8 16.53,40.8
VIN on PWR.Cu: 60.98,0.16 0.02,0.16 0.02,9.05 60.98,9.05
VIN on PWR.Cu: 13.99,40.8 13.99,36.99 2.56,36.99 2.56,35.72 20.34,35.72 20.34,40.8
VIN on PWR.Cu: 40.66,40.8 0.02,40.8 0.02,44.61 40.66,44.61
VIN on PWR.Cu: 40.66,40.8 40.66,31.91 27.96,31.91 27.96,30.64 22.88,30.64 22.88,40.8
VIN on PWR.Cu: 3.83,44.61 3.83,0.16 0.02,0.16 0.02,44.61

## Text on the board
B.Silkscreen: Mickala 50cc | GND | VIN | WKUP2 | 8x8x8 RGB LED cube | Niagra Falls 22' | WKUP1 | WKUP3 | WKUP4 | CH1 | GPIO3 | GPIO1 | Github Firmware | CH2 | MN Yacht Club 24' | V_BUTTON | GPIO2 | GPIO4 | SWCLK | 3V3 | NRST | CH3 | SWDIO | Github Hardware | VIN+
User.Comments: Approximate box dimensions / 75 mm x 45 mm / Hole measurements / 68 mm x 38 mm / 4 mm diameter
F.Silkscreen: GPIO1 | GPIO3 | GPIO4 | GPIO2 | V_BUTTON | SWCLK | NRST | 3V3 | NC | GND | SWDIO | CH1 | VIN | CH2 | CH3 | VIN+ | SpudGlo v8.0 / SpudGlo LLC | 09/19/2024 / Spencer Wright | Winery 24' | Chicago River 24' | Murph | C | D | A | B
